# Altium PCB meltdown_hardware.PcbDoc (part 1 of 2) (continued)
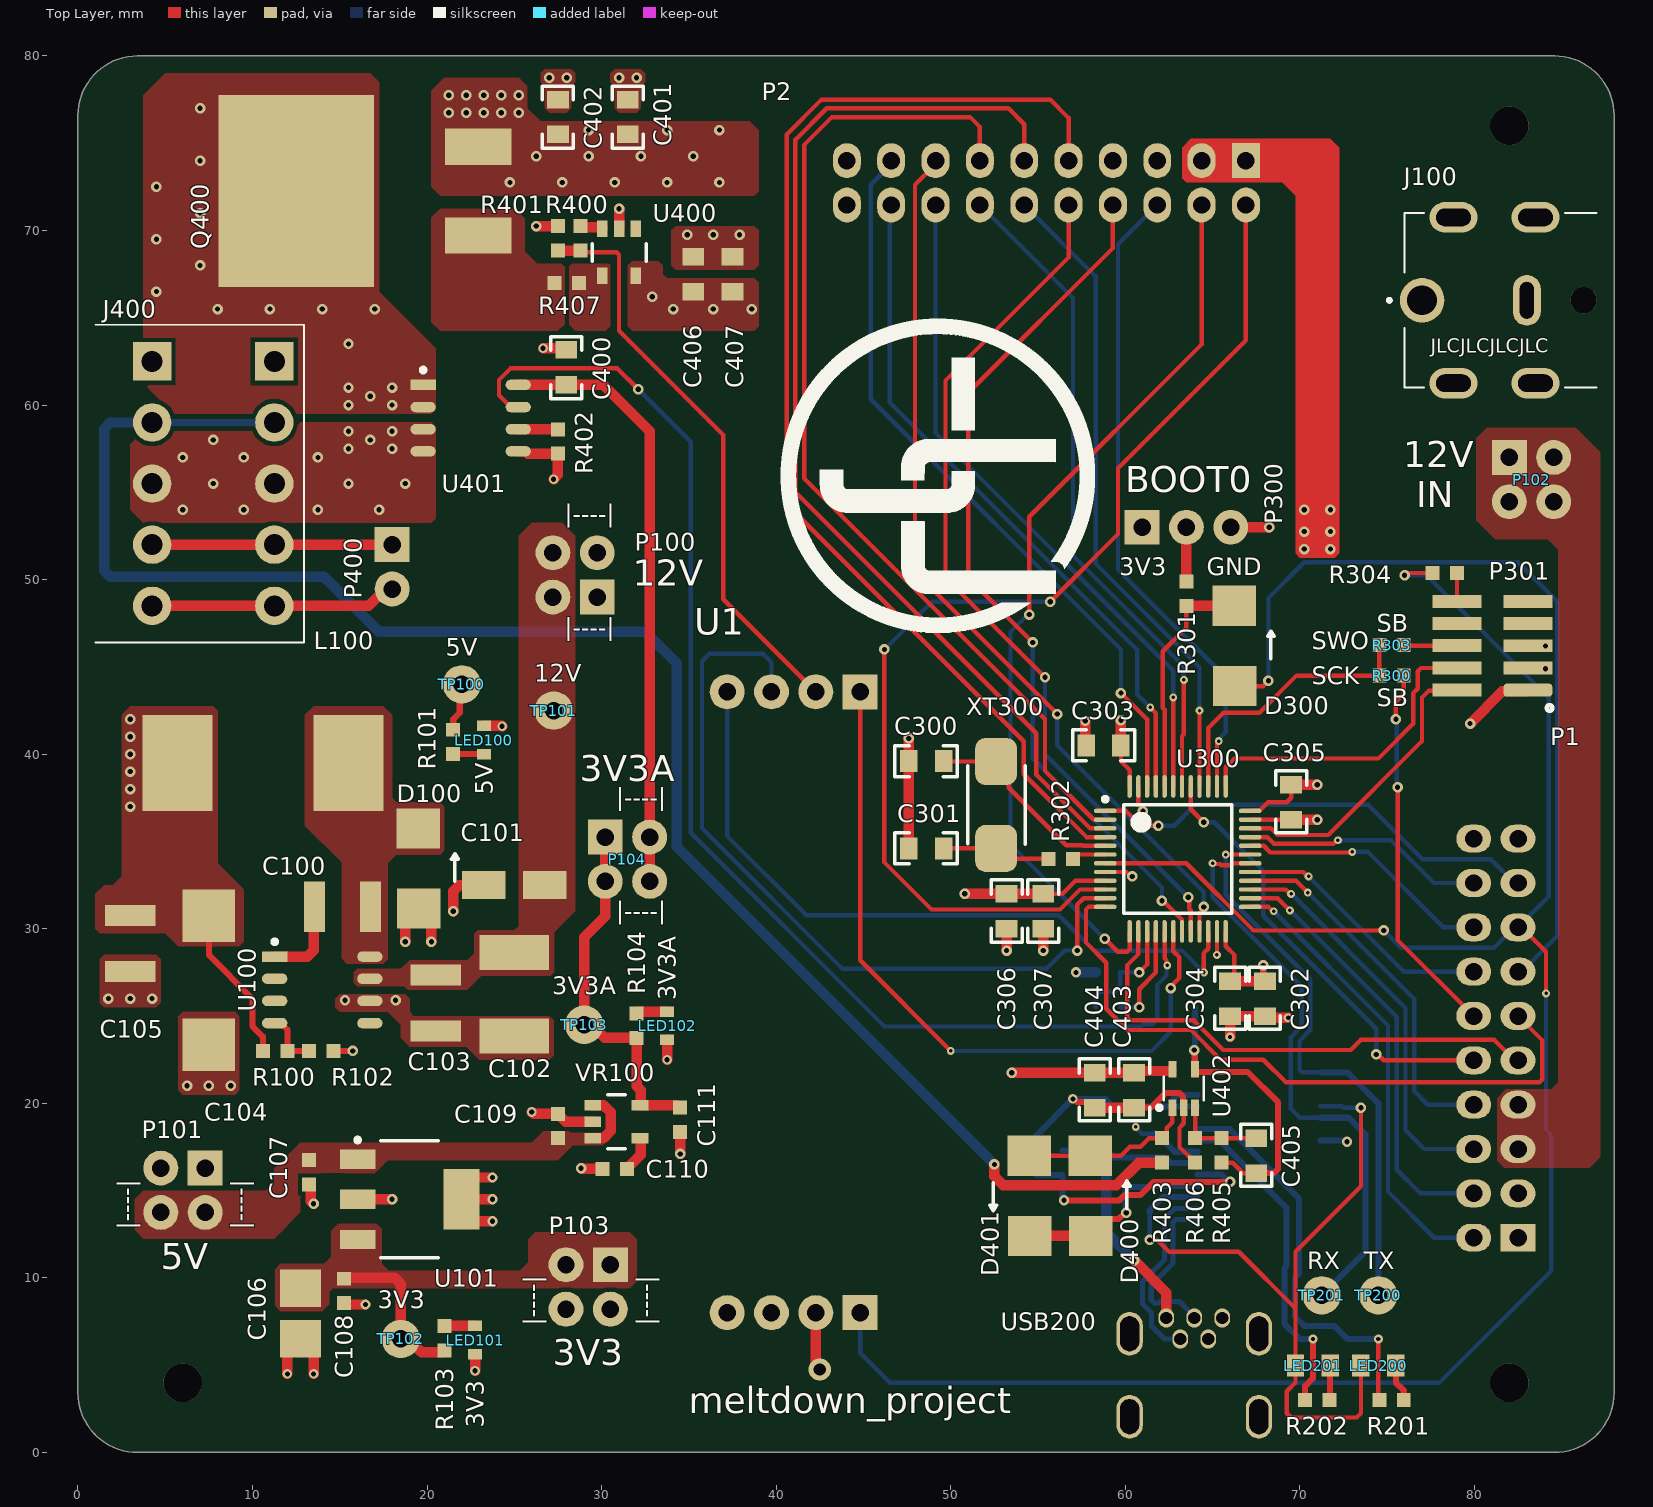
[diagram p0: Top Layer view]
## Classes and differential pairs
differential pair class USB2.0: USBD
component class "Solder Pen": C400 C401 C402 C403 C404 C405 C406 C407 D400 D401 J400 P400 Q400 R400 R401 R402 R403 R404 R405 R406 R407 U400 U401 U402
component class Power: C100 C101 C102 C103 C104 C105 C106 C107 C108 C109 C110 C111 D100 dr J100 L100 LED100 LED101 LED102 P100 P101 P102 P103 P104 R100 R101 R102 R103 R104 TP100 TP101 TP102 TP103 U100 U101 VR100
component class MCU: C300 C301 C302 C303 C304 C305 C306 C307 D300 P300 P301 R300 R301 R302 R303 R304 U300 XT300
component class FTDI: C200 C201 C204 FT200 LED200 LED201 R200 R201 R202 R203 TP200 TP201 USB200
component class 0_Overview: P1 P2 R1 R2 U1
differential pair USBD: +USBD_P -USBD_N

## Components (designator, comment, footprint, x,y, rotation, side; value= is the part's Value field where it differs from the comment)
C100 "1210, capacitor" "1210, cap" 15.15,31.25 r180 top locked value=100n
C101 "cap, Electrolyt Case B" EEEFT1E220AR 25,32.5 r90 top value=22u
C102 "1812, capacitor" "1812, cap" 25,26.25 r270 top value=4u7
C103 "1210, capacitor" "1210, cap" 20.5,25.75 r270 top value=100n
C104 "cap, Case E" CASE_E 7.5,27.05 r270 top value=47u
C105 "1210, capacitor" "1210, cap" 3,29.15 r270 top value=100n
C106 "Cap, case B" CASE_B 12.75,6.5 r90 top value=1u
C107 "0603, capacitor" "0603 cap" 13.247,16.05 r270 top value=1u
C108 "0603, capacitor" "0603 cap" 15.25,9.25 r270 top value=100n
C109 "0603, capacitor" "0603 cap" 27.502,18.7 r90 top value=100n
C110 "0603, capacitor" "0603 cap" 30.75,16.25 r180 top value=10n
C111 "0603, capacitor" "0603 cap" 34.498,19.05 r270 top value=2u2
C200 "0603, capacitor" "0603 cap" 61.347,14.525 r90 bottom value=100n
C201 "Cap, case B" CASE_B 58.9,20.2 r270 bottom value=0
C204 "0603, capacitor" "0603 cap" 61.698,17.6 r90 bottom value=100n
C300 "0805, capacitor" "0805, cap" 49.6,39.6 r180 top value=???
C301 "0805, capacitor" "0805, cap" 49.6,34.6 r180 top value=???
C302 "0805, capacitor" "0805, cap" 68,25 r90 top value=4u7
C303 "0805, capacitor" "0805, cap" 57.75,40.5 r0 top value=100n
C304 "0805, capacitor" "0805, cap" 66,25 r90 top value=100n
C305 "0805, capacitor" "0805, cap" 69.5,36.25 r90 top value=100n
C306 "0805, capacitor" "0805, cap" 53.2,30 r90 top value=1u
C307 "0805, capacitor" "0805, cap" 55.3,30 r90 top value=10n
C400 "0805, capacitor" "0805, cap" 27.97,63.155 r270 top value=100n
C401 "0805, capacitor" "0805, cap" 31.5,77.5 r270 top value=100n
C402 "0805, capacitor" "0805, cap" 27.5,77.5 r270 top value=1u
C403 "0805, capacitor" "0805, cap" 60.5,19.75 r90 top value=100n
C404 "0805, capacitor" "0805, cap" 58.25,19.75 r90 top value=1u
C405 "0805, capacitor" "0805, cap" 67.5,16 r90 top value=100n
C406 "0805, capacitor" "0805, cap" 35.25,68.5 r270 top value=1u
C407 "0805, capacitor" "0805, cap" 37.5,68.5 r270 top value=100n
D100 "B340A-E3/61T" DO-214AC 19.5,34.734 r270 top locked value="Schottky Diode"
D300 "B340A" DO-214AC 66.25,47.484 r270 top value="Schottky Diode"
D400 "B340A" DO-214AC 58,15.984 r270 top value="Schottky Diode"
D401 "B340A" DO-214AC 54.525,13.416 r90 top value="Schottky Diode"
FT200 "FT232R" SOP28 67.65,17.55 r180 bottom locked
J100 "PJ-082BH" CUI_PJ-082BH 77,66 r90 top locked
J400 "Weller RT tip" "5 POLE BLOCK CONNECTOR" 4.25,62.5 r270 top locked
L100 "Coil, MSS1260" MSS1260 10.6,39.5 r0 top value=68u
LED100 "0603, LED" "0603 LED" 23.25,40 r90 top
LED101 "0603, LED" "0603 LED" 22.75,7.25 r270 top
LED102 "0603, LED" "0603 LED" 33.75,25.25 r270 top
LED200 "0805, LED" 0805_led 74.5,5 r180 top value="0805 LED"
LED201 "0805, LED" 0805_led 70.75,5 r180 top value="0805 LED"
P1 "2x10 Ribbon Header" 2x10_RIBBON_CABLE_CON 81.23,23.73 r180 top locked value="1x10 Pin Header"
P2 "2x10 Ribbon Header" 2x10_RIBBON_CABLE_CON 55.48,72.73 r270 top locked value="1x10 Pin Header"
P100 "2x2 Pin Header" "2x2 PH" 29.75,49 r180 top value="2x2 Pin Header, 2.54mm"
P101 "2x2 Pin Header" "2x2 PH" 7.29,16.29 r270 top value="2x2 Pin Header, 2.54mm"
P102 "2x2 Pin Header" "2x2 PH" 82,57 r0 top value="2x2 Pin Header, 2.54mm"
P103 "2x2 Pin Header" "2x2 PH" 30.5,10.75 r270 top value="2x2 Pin Header, 2.54mm"
P104 "2x2 Pin Header" "2x2 PH" 30.21,35.25 r0 top value="2x2 Pin Header, 2.54mm"
P300 "1x3 Pin Header Mux" padThree_L 63.5,53 r0 top value="1x3 Pin Header"
P301 "ARM 10 pin SWD" "FTSH-105-01-L-DV-K even odd" 79,43.67 r90 top value="2x5 Pin Header, 2.54mm, Th"
P400 "1x2 Pin Heade Straight" padtwo_L 18,52 r0 top value="1x2 Pin Header"
Q400 "IRF4905" d2pak 22.939,72.25 r90 top locked
R1 "0603, resistor" 0603#1 59,25.5 r0 bottom value=0R
R2 "0603, resistor" 0603#1 59,27.5 r180 bottom value=0R
R100 "0603, resistor" 0603#1 11.3,23 r180 top value=10k
R101 "0603, resistor" 0603#1 21.5,40.7 r90 top value=0
R102 "0603, resistor" 0603#1 13.95,23 r180 top value=3k3
R103 "0603, resistor" 0603#1 21,6.55 r270 top value=0
R104 "0603, resistor" 0603#1 32,24.45 r270 top value=0
R200 "0603, resistor" 0603#1 56.4,16.6 r90 bottom value=4.7k
R201 "0603, resistor" 0603#1 75.25,3 r0 top value=4k7
R202 "0603, resistor" 0603#1 71,3 r0 top value=1k2
R203 "0603, resistor" 0603#1 54.9,16.6 r270 bottom value=10k
R300 "0603, resistor" 0603#1 75.25,44.5 r0 top value=0R
R301 "0603, resistor" 0603#1 63.5,49.2 r90 top value=10k
R302 "0603, resistor" 0603#1 56.3,34 r0 top value=0R
R303 "0603, resistor" 0603#1 75.25,46.25 r180 top value=0R
R304 "0603, resistor" 0603#1 78.3,50.375 r180 top value=0R
R400 "0603, resistor" 0603#1 28.8,69.55 r90 top value=1k
R401 "0603, resistor" 0603#1 27.5,69.55 r270 top value=100k
R402 "0603, resistor" 0603#1 27.5,57.911 r90 top value=0R
R403 "0603, resistor" 0603#1 62.1,17.3 r270 top value=10k
R404 "0603, resistor" 0603#1 63.3,25.5 r0 bottom value=0R
R405 "0603, resistor" 0603#1 65.5,17.3 r90 top value=560k
R406 "0603, resistor" 0603#1 64,17.3 r90 top value=1k
R407 "0603, resistor" 0603#2 28,67 r180 top value=0R
TP100 "Test Point" testPoint 22,44 r90 top value="Test point"
TP101 "Test Point" testPoint 27.25,42.5 r90 top value="Test point"
TP102 "Test Point" testPoint 18.5,6.5 r90 top value="Test point"
TP103 "Test Point" testPoint 29,24.5 r90 top value="Test point"
TP200 "Test Point" testPoint 74.5,9 r90 top value="Test point"
TP201 "Test Point" testPoint 71.25,9 r90 top value="Test point"
U1 "Meltdown Protection Module" MELTDOWN_PROT 41,23.25 r90 top locked
U100 "TPS5410" SOIC8 14,26.5 r0 top
U101 "3.3V Reg" SOT223 19,14.5 r0 top value=MCP1826S
U300 "STM32F301C8T6TR" STM-LQFP48_L 63,34 r0 top locked
U400 "MCP1416" SOT23-5 31,68.75 r270 top
U401 "TMCS1101" SOIC8 22.5,59.25 r0 top
U402 "MCP6V66UT-E/LTY" SC70P210X110-5N 63.35,20.85 r90 top
USB200 "USB Mini Connector" "USB Mini TH" 67.65,6.8 r180 top
VR100 "3.3V Reg" SOT23-5 30.85,18.95 r0 top value=TPS79333DBVR
XT300 "XTAL ABM3" XTAL_SMD_LP 52.6,34.58 r90 top value="10 MHz"

## Footprints (in the part's own frame and the unit in brackets; to place one, negate y for a bottom-side part, rotate by r counter-clockwise, add the part's x,y. Pads: shape width x height; smd on the part's side, far side on the other; paste and mask are expansions set on the pad)
"2x2 PH" [mm] "2.54 mm"
  rect 2x2 hole 1 mask+0.05: 1(0,0)
  round 2 hole 1 mask+0.05: 2(0,-2.54) 3(2.54,-2.54) 4(2.54,0)
  body extent -1.37,-3.81 3.84,1.27, height 8.51
2x10_RIBBON_CABLE_CON [mm]
  rect 2x1.6 hole 1 mask+0.05: 1(-1.27,11.43)
  oval 2x1.6 hole 1 mask+0.05: 2(-1.27,8.89) 3(-1.27,6.35) 4(-1.27,3.81) 5(-1.27,1.27) 6(-1.27,-1.27) 7(-1.27,-3.81) 8(-1.27,-6.35) 9(-1.27,-8.89) 10(-1.27,-11.43) 11(1.27,-11.43) 12(1.27,-8.89) 13(1.27,-6.35) 14(1.27,-3.81) 15(1.27,-1.27) 16(1.27,1.27) 17(1.27,3.81) 18(1.27,6.35) 19(1.27,8.89) 20(1.27,11.43)
  body extent -4.45,-16.51 4.83,16.51, height 8.89
"5 POLE BLOCK CONNECTOR" [mm]
  rect 2.2x2.2 hole 1.2 mask+0.05: 1(0,7) 1(0,0)
  round 2.2 hole 1.2 mask+0.05: 2(3.5,7) 2(3.5,0) 3(7,7) 3(7,0) 4(10.5,7) 4(10.5,0) 5(14,0) 5(14,7)
  silkscreen extent -2.1,-3.25 16.1,8.7, body extent -2.1,-5.5 16.1,8.7, height 8.55
0603#1 [mm]
  rect 0.8x0.8 smd mask+0.05: 0(0.7,0) 1(-0.7,0)
  body extent -0.73,-0.41 0.87,0.41, height 0.45
0603#2 [mm]
  rect 0.8x0.8 smd: 0(0.7,0) 1(-0.7,0)
  body extent -0.73,-0.41 0.87,0.41, height 0.45
"0603 cap" [mm]
  rect 0.8x0.8 smd mask+0.05: 0(0.7,0.002) 1(-0.7,0.002)
  body extent -0.83,-0.4 0.77,0.4, height 0.6
"0603 LED" [mm]
  rect 0.6x0.8 smd mask+0.05: 0(1.62,0) 1(0,0)
  body extent 0,-0.4 1.62,0.4, height 1.1
"0805, cap" [mm]
  rect 1x1.25 smd mask+0.05: 0(0,0) 1(2,0)
  silkscreen extent -0.76,-0.89 2.79,0.89, body extent -0.01,-0.62 1.99,0.63, height 0.8
0805_led [mm]
  rect 1x1.25 smd mask+0.05: 0(-1,0.025) 1(1,0.025)
  body extent -1.03,-0.6 0.99,0.65, height 1.1
"1210, cap" [mm]
  rect 1.2x2.9 smd mask+0.05: 0(1.6,0) 1(-1.6,0)
  body extent -1.87,-1.4 1.82,1.4, height 2.98
"1812, cap" [mm]
  rect 2x4 smd mask+0.05: 0(2.385,0) 1(-2.385,0)
  body extent -2.3,-1.6 2.3,1.6, height 2.6
CASE_B [mm]
  rect 2.15x2.35 smd mask+0.05: 1(0,0) 2(2.9,0)
  body extent -0.3,-1.37 3.36,1.43, height 1.95
CASE_E [mm]
  rect 3x3 smd mask+0.05: 1(-3.7,0) 2(3.7,0)
  body extent -3.66,-2.2 3.74,2.25, height 4.2
CUI_PJ-082BH [mm]
  round 2.55 hole 1.7 mask+0.05: 1(0,0)
  oval 2.9x1.6 hole 0.8 slot 2.1 at 0 deg mask+0.05: 2(0,-6)
  oval 1.75x2.75 hole 1 slot 2 at 90 deg mask+0.05: SH(-4.75,-1.8) SH(-4.75,-6.5) SH(4.75,-1.8) SH(4.75,-6.5)
  round 1.5 hole 1.5 unplated mask+0.05: ""(0,-9.25)
  silkscreen extent -5,-10 5,1.97, body extent -5.1,-12.13 5.1,1, height 10
d2pak [mm]
  rect 2.08x3.81 smd mask+0.05: 1(-2.54,0) 3(2.54,0)
  rect 11x8.9 smd mask+0.05: 2(0,10.439)
  body extent -5.08,-0.94 5.08,14.3, height 5.13
DO-214AC [mm]
  rect 2.3x2.5 smd mask+0.05: 1(-1.016,0) 2(3.584,0.025)
  silkscreen extent 0.43,1.9 2.02,2.29, body extent -1.23,-1.35 3.77,1.35, height 2.15
EEEFT1E220AR [mm] "EEEFT1E220AR"
  rect 1.6x2.5 smd mask+0.05: 1(0,1.75) 2(0,-1.75)
  body extent -2.15,-2.3 2.15,2.3, height 5.4
"FTSH-105-01-L-DV-K even odd" [mil] "1.27 Male Header"
  rrect50% 29x110 smd mask+1.97: 1(0,-160)
  rect 29x110 smd mask+1.97: 2(0,0) 3(50,-160) 4(50,0) 5(100,-160) 6(100.4,0) 7(150,-160) 8(150,0) 9(200,-160) 10(200,0)
  silkscreen extent -47,-215 -34,-202, body extent -25,-195 225,35, height 245
MELTDOWN_PROT [mm]
  round 2 hole 1 mask+0.05: 1(-15.24,3.81) 2(-15.24,1.27) 3(-15.24,-1.27) 6(20.32,-1.27) 7(20.32,1.27) 8(20.32,3.81)
  rect 2x2 hole 1 mask+0.05: 4(-15.24,-3.81) 5(20.32,-3.81)
  body extent -17.67,-17.42 22.84,5.95, height 14.73
MSS1260 [mm]
  rect 4x5.5 smd mask+0.05: 1(-4.9,0) 2(4.9,0)
  body extent -6.25,-6.25 6.25,6.25, height 6
padThree_L [mm] "Pad Diameter 2 mm, Hole  0.3 mm, Pitch 2.54 mm"
  rect 2x2 hole 1 mask+0.05: 1(-2.54,0)
  round 2 hole 1 mask+0.05: 2(0,0) 3(2.54,0)
  body extent -3.83,-1.38 3.79,1.54, height 8.53
padtwo_L [mm] "Pad Diameter 2 mm, Hole  0.3 mm, Pitch 2.54 mm"
  rect 2x2 hole 1 mask+0.05: 1(0,0)
  round 2 hole 1 mask+0.05: 2(0,-2.54)
  body extent -1.46,-3.81 1.46,1.27, height 8.51
SC70P210X110-5N [mm] "SC70, 5-Leads, Body 2,03x2,10mm, Pitch 0,65mm, IPC Medium Density"
  rect 0.95x0.45 smd mask+0.05: 1(-1.1,0.65) 2(-1.1,0) 3(-1.1,-0.65) 4(1.1,-0.65) 5(1.1,0.65)
  silkscreen extent -1.22,-1.15 0.67,1.52, body extent -1.3,-1.12 1.3,1.12, height 1.1
SOIC8 [mm] "SOIC, 8-Leads, Body 4,90x3,90mm, Pitch 1,27mm, IPC Medium Density"
  rect 1.45x0.6 smd mask+0.05: 1(-2.725,1.905)
  oval 1.45x0.6 smd mask+0.05: 2(-2.725,0.635) 3(-2.725,-0.635) 4(-2.725,-1.905) 5(2.725,-1.905) 6(2.725,-0.635) 7(2.725,0.635) 8(2.725,1.905)
  silkscreen extent -2.85,2.63 -2.6,2.88, body extent -3.03,-2.43 2.97,2.47, height 1.75
SOP28 [mm] "SOP, 28-Leads, Body 10,20x5,30mm, Pitch 0,65mm"
  oval 1.6x0.35 smd mask+0.05: 1(-3.525,4.225)
  rect 1.6x0.35 smd mask+0.05: 2(-3.525,3.575) 3(-3.525,2.925) 4(-3.525,2.275) 5(-3.525,1.625) 6(-3.525,0.975) 7(-3.525,0.325) 8(-3.525,-0.325) 9(-3.525,-0.975) 10(-3.525,-1.625) 11(-3.525,-2.275) 12(-3.525,-2.925) 13(-3.525,-3.575) 14(-3.525,-4.225) 15(3.525,-4.225) 16(3.525,-3.575) 17(3.525,-2.925) 18(3.525,-2.275) 19(3.525,-1.625) 20(3.525,-0.975) 21(3.525,-0.325) 22(3.525,0.325) 23(3.525,0.975) 24(3.525,1.625) 25(3.525,2.275) 26(3.525,2.925) 27(3.525,3.575) 28(3.525,4.225)
  silkscreen extent -3.65,-5.1 2.33,5.15, body extent -3.76,-5.11 4.04,5.09, height 1.9
SOT23-5 [mm] "SOT23, 5-Leads, Body 2,90x2,80mm, Pitch 0,95mm, IPC Medium Density"
  rect 0.95x0.6 smd mask+0.05: 1(-1.35,0.95) 2(-1.35,0) 3(-1.35,-0.95) 4(1.35,-0.95) 5(1.35,0.95)
  silkscreen extent -0.5,-1.55 0.5,1.55, body extent -1.25,-1.5 1.25,1.5, height 1.1
SOT223 [mm] "SOT223, 4-Leads, Body 6,50x7,10mm (avg), Pitch 2,30mm, IPC Medium Density"
  rect 2.05x1.1 smd mask+0.05: 1(-2.975,2.3) 2(-2.975,0) 3(-2.975,-2.3)
  rect 2.05x3.45 smd mask+0.05: 4(2.975,0)
  silkscreen extent -3.1,-3.35 1.65,3.52, body extent -3.42,-3.22 3.58,3.28, height 1.7
STM-LQFP48_L [mm] "QFP, 48-Leads, Body 7x7mm, Pitch 0.5mm, IPC High Density"
  oval 1.3x0.25 smd mask+0.05: 1(-4.15,2.75) 2(-4.15,2.25) 3(-4.15,1.75) 4(-4.15,1.25) 5(-4.15,0.75) 6(-4.15,0.25) 7(-4.15,-0.25) 8(-4.15,-0.75) 9(-4.15,-1.25) 10(-4.15,-1.75) 11(-4.15,-2.25) 12(-4.15,-2.75) 25(4.15,-2.75) 26(4.15,-2.25) 27(4.15,-1.75) 28(4.15,-1.25) 29(4.15,-0.75) 30(4.15,-0.25) 31(4.15,0.25) 32(4.15,0.75) 33(4.15,1.25) 34(4.15,1.75) 35(4.15,2.25) 36(4.15,2.75)
  oval 0.25x1.3 smd mask+0.05: 13(-2.75,-4.15) 14(-2.25,-4.15) 15(-1.75,-4.15) 16(-1.25,-4.15) 17(-0.75,-4.15) 18(-0.25,-4.15) 19(0.25,-4.15) 20(0.75,-4.15) 21(1.25,-4.15) 22(1.75,-4.15) 23(2.25,-4.15) 24(2.75,-4.15) 37(2.75,4.15) 38(2.25,4.15) 39(1.75,4.15) 40(1.25,4.15) 41(0.75,4.15) 42(0.25,4.15) 43(-0.25,4.15) 44(-0.75,4.15) 45(-1.25,4.15) 46(-1.75,4.15) 47(-2.25,4.15) 48(-2.75,4.15)
  silkscreen extent -4.27,-3.1 3.1,3.55, body extent -3.5,-3.5 3.5,3.5, height 1.6
testPoint [mm] "Diameter 2mm, Hole 0.3mm"
  round 2.2 hole 1 mask+0.05: 0(0,0)
  body extent -1.27,-1.31 1.27,1.32, height 4.36
"USB Mini TH" [mm]
  oval 0.9x1.1 hole 0.7 mask+0.05: 1(5.3,-0.9) 2(4.5,0.3) 3(3.7,-0.9) 4(2.9,0.3) 5(2.1,-0.9)
  oval 1.5x2.5 hole 1.1 slot 2 at 90 deg mask+0.05: 6(0,4.75) 6(0,0) 6(7.4,0) 6(7.4,4.75)
  body extent -0.37,-1.02 7.78,7.8, height 3.95
XTAL_SMD_LP [mm] "Pad 1.7x2.4, Pitch 3.7"
  rrect50% 2.7x2.4 smd mask+0.05: 1(0.02,0) 2(5,0)
  silkscreen extent 0.26,-1.66 4.76,1.62, body extent 0.02,-1.6 5.02,1.6, height 1.35

## Part data
C102: Part Number=C1812C475K5RACTU, Order number=399-8255-1-ND
C104: "Tantalum", Part Number=TPSE476K020R0200
D100: "SchottkydiodE, 40 V, 3 A", Farnell=2335183
D300 D400 D401: library part B340A-E3/61T, "SchottkydiodE, 40 V, 3 A", Farnell=2335183
FT200: "USB UART IC", DigiKey=768-1007-1-ND, Farnell=1146032
J100: library part "Power Jack", "2.5 x 6.5 mm, 10.0 A, Horizontal, Through Hole, Shielded, Dc Power Jack Connector", Digikey part nbr=CP-082BHTR-ND, Package=None, Availability="In Stock", CUI_purchase_URL=https://www.cuidevices.com/product/interconnect/connectors/dc-power-connectors/jacks/pj-082bh?utm_source=snapeda.com&utm_medium=referral&utm_campaign=snapedaBOM, MF="CUI Devices", MP=PJ-082BH, Part Number=PJ-082BH, Price=None, Purchase-URL=https://pricing.snapeda.com/search/part/PJ-082BH/?ref=eda
L100: "68 µH, 2.3 A,", Part Number=SRR1260-680M
P1 P2 P300: "2.54 mm"
P301: "1.27mm, PH", DigiKey=FTSH-105-01-L-DV-K
P400: "2.54 mm, TH"
Q400: "P-Channel HEXFET® Power MOSFET"
R405 R406: Tolerance=0.1%
U1: "Protection circuit for the meltdown project"
U100: "1-A, Wide Input Range, Step-Down Converter"
U101: library part MCP1826S, "1 A, Positive Fixed-Voltage, Low-ccDropout Regulator", Drop Out=250mV, Farnell=1287689
U300: "MCU 32-bit ARM Cortex M4 RISC 64KB Flash 2.5V/3.3V 48-Pin LQFP T/R", Supplier Part Number 1=511-STM32F301C8T6TR, Supplier 1=Mouser
U400: "High-speed Power MOSFET driver"
U401: "Hall-Effect Current Sensor"
U402: "Linear High Precision Op Amps-Chopper Stabilized, 1000kHz, 1.8Vto5.5V, SC70-5, RoHS", Manufacturer=Microchip, Category="Amplifiers - Op Amps, Buffer, Instrumentation", Manufacturer Part Number=MCP6V66UT-E/LTY, Pricing 1="3000=0,93150 (USD)", RoHS=No, Stock 1=50, Supplier 1=Avnet, Supplier Part Number 1=MCP6V66UT-E/LTY
VR100: library part TPS79333DBR, "3.3V Reg, Ultra-Low Noise, 200 mA", Input Voltage="Vin 6V (max)", Drop Out=102mV, Farnell=1287689
XT300: library part "XTAL TXC 7A", "10 MHz, SMD, 5mm x 3,2mm, 30 ppm", C0="7 pF (max)", CL="18 pF", ESR="60 R", Farnell=1841946, Mf. nbr=ABM3-10.000MHZ-D2Y-T
C100 C103 C105: Order number=478-1556-1-ND, Supplier=Digikey
TP100 TP101 TP102 TP103 TP200 TP201: Farnell=1702006
USB200: Farnell=1125348

## Free pads (board coordinates)
  round 2.2 hole 2.2 unplated mask+0.05: MH(6,4) MH(82,4) MH(82,76)

## Via types
v1: diameter 0.6, hole 0.3, Top Layer to Bottom Layer, 148 vias
v2: diameter 0.45, hole 0.2, Top Layer to Bottom Layer, 20 vias
v3: diameter 0.55, hole 0.3, Top Layer to Bottom Layer, 11 vias
v4: diameter 0.5, hole 0.25, Top Layer to Bottom Layer, 4 vias
v5: diameter 1.27, hole 0.711, Top Layer to Bottom Layer, 1 vias

## Nets (pads, with @x,y where several pads share a name; then routed paths per layer and width w, separated by ;. In a path a pad name is that pad's centre, name@x,y a point inside that pad or via, vN(x,y) a via of type N, cw(c..) or ccw(c..) an arc to the next point about the centre after c; other vN are vias at no path point)
3V3: C302.1 C303.1 C304.1 C305.1 P103.3 P103.4 P300.1 P301.1 U1.2 U300.24 U300.36 U300.48 | length 19.1
  Top Layer w0.25: C303.1@59.75,40.5 59.75,39.587 60.25,39.087 U300.48@60.25,38.15 ; U300.24@65.75,29.85 65.75,29 66.25,28.5 66.25,27.25 C304.1@66,27 ; U300.36@67.15,36.75 67.675,36.75 68.175,37.25 69.25,37.25 69.5,37.5 C305.1@69.5,38.25
  Top Layer w0.35: v1(67.9,27.9) 67.9,27.1 C302.1@68,27
  Top Layer w0.6: C303.1@59.75,40.5 v1(59.75,41.95) ; C304.1@66,27 C302.1@68,27 ; C305.1@69.5,38.25 v1(71,38.25) ; v1(79.75,41.75) 81.602,43.602 82.996,43.602 P301.1@83.064,43.67
3V3A: C306.1 C307.1 C400.1 C403.1 C404.1 P104.3 P104.4 U300.9 U401.8 U402.5 | length 51.9
  Top Layer w0.25: C307.1@55.3,32 56.4,32 57.15,32.75 U300.9@58.85,32.75
  Top Layer w0.6: U401.8@25.225,61.155 C400.1@27.97,61.155 30.095,61.155 32.75,58.5 P104.4@32.75,35.25 P104.3@32.75,32.71 ; v1(50.8,32) C306.1@53.2,32 C307.1@55.3,32 ; v1(53.5,21.75) C403.1@60.5,21.75 60.6,21.85 U402.5@62.625,21.85
5V: C107.1 C109.1 P1.1 P1.2 P2.1 P2.2 P101.3 P101.4 U1.3 U101.1 VR100.1 VR100.3 | length 6.9
  Top Layer w0.6: C107.1@13.25,16.75 C107.1@13.275,16.775 ; U101.1@16,16.775 U101.1@16.025,16.8 ; VR100.3@29.5,18 30.108,18 30.529,18.421 30.529,19.479 30.108,19.9 VR100.1@29.5,19.9 ; U1.3@42.27,8.01 42.27,5.161 42.5,4.931 v5(42.5,4.75)
  other v1: 70.25,51.75 71.75,51.75 70.25,52.75 71.75,52.75 70.25,54 71.75,54
5V_P: C104.1 C105.1 L100.1 P101.1 P101.2 R100.0 R101.0 TP100.0 | length 11.8
  Top Layer w0.35: C104.1@7.5,30.75 7.5,28.5 10,26 10,24.414 10.6,23.814 R100.0@10.6,23 ; R101.0@21.5,41.4 21.5,42 21.875,42.375 21.875,43.875 TP100.0@22,44
  other v1: 3,37 3,38 3,39 3,40 3,41 3,42
12V: C401.1 C402.1 C406.1 C407.1 J100.1 P1.3 P1.4 P2.3 P2.4 P100.1 P100.2 P102.1 P102.2 P102.3 P102.4 Q400.3 U400.5 | length 0.1
  Top Layer w0.6: Q400.3@22.939,74.79 Q400.3@22.979,74.75
  other v1: 34.1,65.5 36.4,65.5 38.6,65.5 32.9,66.2 24.75,72.75 27.75,72.75 30.75,72.75 33.75,72.75 36.75,72.75 26.25,74.25 29.25,74.25 32.25,74.25 35.25,74.25 29.25,75.75 33.75,75.75 36.75,75.75 21.25,76.75 22.25,76.75 23.25,76.75 24.25,76.75 25.25,76.75 21.25,77.75 22.25,77.75 23.25,77.75 24.25,77.75 25.25,77.75
ADC1_11: R404.1 U1.5 U300.18 | length 41.9
  Top Layer w0.25: U1.5@44.81,43.57 44.81,28.19 v2(50,23) ; v1(62.6,26.6) 62.6,26.695 63.1,27.195 63.1,28.364 62.75,28.714 U300.18@62.75,29.85
  Bottom Layer w0.25: v2(50,23) 61.5,23 62.6,24.1 R404.1@62.6,25.5 v1(62.6,26.6)
BOOT: C100.0 U100.1 | length 4.9
  Top Layer w0.6: U100.1@11.275,28.405 13.149,28.405 13.5,28.756 13.5,31.2 C100.0@13.55,31.25
BOOT0: D300.1 R301.1 U300.44 | length 13.7
  Top Layer w0.25: U300.44@62.25,38.15 62.25,42.561 62.146,42.665 62.146,45.896 63.5,47.25 R301.1@63.5,48.5
  Top Layer w0.6: R301.1@63.5,48.5 D300.1@66.25,48.5
DAC_OUT: P1.5 U300.14 | length 29.1
  Top Layer w0.25: U300.14@60.75,29.85 60.75,28.55 60.121,27.921 60.121,24.907 60.274,24.753 63.914,24.753 65.617,23.05 72.91,23.05 73.495,23.635 81.125,23.635 82.3,22.46 P1.5@82.5,22.46
ExtBoot: D300.2 P1.7 | length 47.4
  Top Layer w0.25: D300.2@66.275,43.9 67.892,43.9 68.192,44.2 v1(68.2,44.2)
  Bottom Layer w0.25: v1(68.2,44.2) 68.2,48.95 70.25,51 82.5,51 84.75,48.75 84.75,29.59 82.7,27.54 P1.7@82.5,27.54
GND: C101.1 C102.0 C103.0 C104.2 C105.0 C106.1 C107.0 C108.0 C109.0 C110.0 C111.0 C200.0 C201.1 C204.0 C300.1 C301.1 C302.0 C303.0 C304.0 C305.0 C306.0 C307.0 C400.0 C401.0 C402.0 C403.0 C404.0 C406.0 C407.0 D100.2 D400.2 D401.1 FT200.7 FT200.18 FT200.21 FT200.25 FT200.26 J100.2 J100.SH J400.1 LED100.0 LED101.0 LED102.0 P1.10 P1.11 P2.10 P2.11 P300.3 P301.3 P301.5 R2.0 R102.1 R203.1 R401.1 R402.1 R406.1 U1.1 U100.6 U101.2 U101.4 U300.8 U300.23 U300.35 U300.47 U400.2 U401.5 U402.2 USB200.5 VR100.2 | length 111.6
  Top Layer w0.25: U300.8@58.85,33.25 60.055,33.25 60.305,33 v1(60.4,33) ; U300.47@60.75,38.15 60.75,37.095 61.012,36.832 v1(61.012,36.737) ; v2(65.25,28.5) U300.23@65.25,29.85 ; U300.35@67.15,36.25 C305.0@69.5,36.25
  Top Layer w0.254: U402.2@63.35,19.75 63.35,18.85 63.105,18.605 63.105,17.495 R406.1@64,16.6
  Top Layer w0.35: R102.1@14.65,23 v1(15.75,23) ; LED100.0@23.25,41.62 LED100.0@23.26,41.61 ; v3(57,20.25) 57.054,20.25 57.229,20.075 57.925,20.075 C404.0@58.25,19.75 ; D400.2@58.025,12.4 58.125,12.4 59.1,13.375 59.632,13.375 59.982,13.725 v1(60.05,13.725) ; C403.0@60.5,19.75 61.47,19.75 62.32,20.6 63.095,20.6 63.3,20.395 63.3,19.8 U402.2@63.35,19.75
  Top Layer w0.6: v3(12,4.5) 12,5.75 C106.1@12.75,6.5 13.5,5.75 v3(13.5,4.5) ; C107.0@13.25,15.35 13.35,15.25 13.35,14.4 v1(13.5,14.25) ; C108.0@15.252,8.55 15.327,8.475 v3(16.475,8.475) ; U101.2@16.025,14.5 v1(18,14.5) ; v1(18.75,29.25) 18.75,30.375 D100.2@19.525,31.15 20.25,30.425 v1(20.25,29.25) ; v1(21.5,31) 21.5,32.149 21.851,32.5 C101.1@23.25,32.5 ; v3(22.75,4.675) LED101.0@22.75,5.63 ; LED100.0@23.25,41.62 24.28,41.62 v3(24.3,41.6) ; v1(23.75,13.25) 22.7,13.25 21.975,13.975 U101.4@21.975,14.5 ; v1(23.75,14.5) U101.4@21.975,14.5 ; v1(23.75,15.75) 22.7,15.75 21.975,15.025 U101.4@21.975,14.5 ; U401.5@25.225,57.345 25.65,57.345 25.784,57.211 R402.1@27.5,57.211 27.5,56 v3(27.25,55.75) ; v3(26,19.5) 26.1,19.4 C109.0@27.5,19.4 27.946,18.954 28.129,18.954 28.133,18.95 VR100.2@29.5,18.95 ; v1(26.25,70.25) R401.1@27.5,70.25 ; v3(26.65,63.25) 27.875,63.25 C400.0@27.97,63.155 ; v1(28.826,16.274) 28.853,16.248 C110.0@30.05,16.248 ; U400.2@31,70.1 v1(31,71.25) ; v3(33.75,22.5) LED102.0@33.75,23.63 ; v1(34.5,17.1) C111.0@34.5,18.35 ; C301.1@47.6,34.6 C300.1@47.6,39.6 v1(47.6,40.9) ; v1(53.2,28.75) C306.0@53.2,30 ; D401.1@54.525,12.4 D400.2@58.025,12.4 ; v1(55.3,28.75) C307.0@55.3,30 ; v3(57.7,41.9) 57.7,40.55 C303.0@57.75,40.5 ; C404.0@58.25,19.75 C403.0@60.5,19.75 ; R406.1@64,16.6 R406.1@64.1,16.5 ; v4(66,23.8) C304.0@66,25 C302.0@68,25 68.1,24.9 v4(69.325,24.9) ; P300.3@66.04,53 v1(68.25,53) ; C305.0@69.5,36.25 v1(71,36.25) ; P301.3@83.064,44.94 84.031,44.94 v1(84.071,44.9) ; P301.5@83.064,46.21 84.061,46.21 v1(84.071,46.2)
  Bottom Layer w0.25: v2(60.6,18.65) 60.6,18.6 60.95,18.25 61.65,18.25 C204.0@61.7,18.3
  Bottom Layer w0.35: R203.1@54.9,17.3 54.9,18.15 v3(57,20.25) 58.85,20.25 C201.1@58.9,20.2 59.275,19.825 62.75,19.825 ; v1(60.05,13.725) 60.002,13.773 60.002,14.995 60.207,15.2 61.325,15.2 C200.0@61.35,15.225 ; C200.0@61.7,15.3 61.725,15.275 FT200.18@64.125,15.275 ; C204.0@61.7,18.3 61.925,18.075 61.979,18.075 62.829,17.225 FT200.21@64.125,17.225 ; FT200.25@64.125,19.825 62.75,19.825 ; FT200.26@64.125,20.475 62.975,20.475 62.75,20.25 62.75,19.825 ; FT200.7@71.175,17.875 72.557,17.875 72.632,17.8 v1(72.7,17.8)
  Bottom Layer w0.6: v1(57.175,27.5) R2.0@58.3,27.5 ; USB200.5@65.5,7.75 USB200.5@65.55,7.7
  other v1: 6.25,21 7.5,21 8.75,21 15.3,25.9 18.2,25.9 1.75,26 3,26 4.25,26 34.9,69.75 36.4,69.75 37.9,69.75 27,78.75 28,78.75 31,78.75 32,78.75
GNDDetect: P301.9
HEAT_CSENSE_IN: Q400.2 U401.1 U401.2
  other v1: 15.5,60 18,60 16.75,60.5 15.5,61 18,61 15.5,63.5 8,65.5 11,65.5 14,65.5 17,65.5 4.5,66.5 7,68 4.5,69.5 7,71 4.5,72.5 7,74 7,77
HEAT_CSENSE_OUT: J400.3 U401.3 U401.4
  other v1: 6,54 9.5,54 13.75,54 17.25,54 7.75,55.5 15.5,55.5 18.75,55.5 6,57 9.5,57 13.75,57 15.5,57.5 18,57.5 7.75,58 16.75,58 15.5,58.5 18,58.5
HEAT_CSENSE_VOUT: U300.17 U401.7 | length 74.5
  Top Layer w0.25: U401.7@25.225,59.885 24.8,59.885 24.121,60.564 24.121,61.436 24.785,62.1 30.9,62.1 v1(32.1,60.9) ; U300.17@62.25,29.85 62.25,28.304 62.362,28.192 62.362,27.938 v2(62.4,27.9)
  Bottom Layer w0.25: v1(32.1,60.9) 35.1,57.9 35.1,35.5 46.2,24.4 60.9,24.4 61.033,24.533 61.554,24.533 61.821,24.8 61.821,26.781 62.362,27.322 62.362,27.862 v2(62.4,27.9)
NetC110_1: C110.1 VR100.4 | length 2.1
  Top Layer w0.6: C110.1@31.45,16.248 32.25,17.047 32.25,18 VR100.4@32.2,18
NetC111_1: C111.1 P104.1 P104.2 R104.0 TP103.0 VR100.5 | length 20.9
  Top Layer w0.6: P104.1@30.21,35.25 P104.2@30.21,32.71 30.21,30.71 29,29.5 TP103.0@29,24.5 29.433,24.5 30.183,23.75 R104.0@32,23.75 32,21 32.25,20.75 VR100.5@32.25,19.9 ; VR100.5@32.2,19.9 VR100.5@32.25,19.9 ; C111.1@34.5,19.75 34.35,19.9 VR100.5@32.25,19.9
NetC301_0: C301.0 R302.1 XT300.1 | length 6.2
  Top Layer w0.254: C301.0@49.6,34.6 XT300.1@52.6,34.6 53.2,34 R302.1@55.6,34
NetC405_1: C405.1 R405.0 R406.0 U402.3 | length 5.2
  Top Layer w0.254: U402.3@64,19.75 R406.0@64,18 R405.0@65.5,18 C405.1@67.5,18
NetJ400_4: J400.4 P400.1 | length 13.8
  Top Layer w0.6: J400.4@4.25,52 J400.4@11.25,52 P400.1@18,52
NetJ400_5: J400.5 P400.2 | length 14.1
  Top Layer w0.6: J400.5@4.25,48.5 J400.5@11.25,48.5 16.661,48.5 17.621,49.46 P400.2@18,49.46
NetLED100_1: LED100.1 R101.1 | length 1.7
  Top Layer w0.35: R101.1@21.5,40 LED100.1@23.25,40